# Allegro board FMDEMOD-Long.brd (continued)
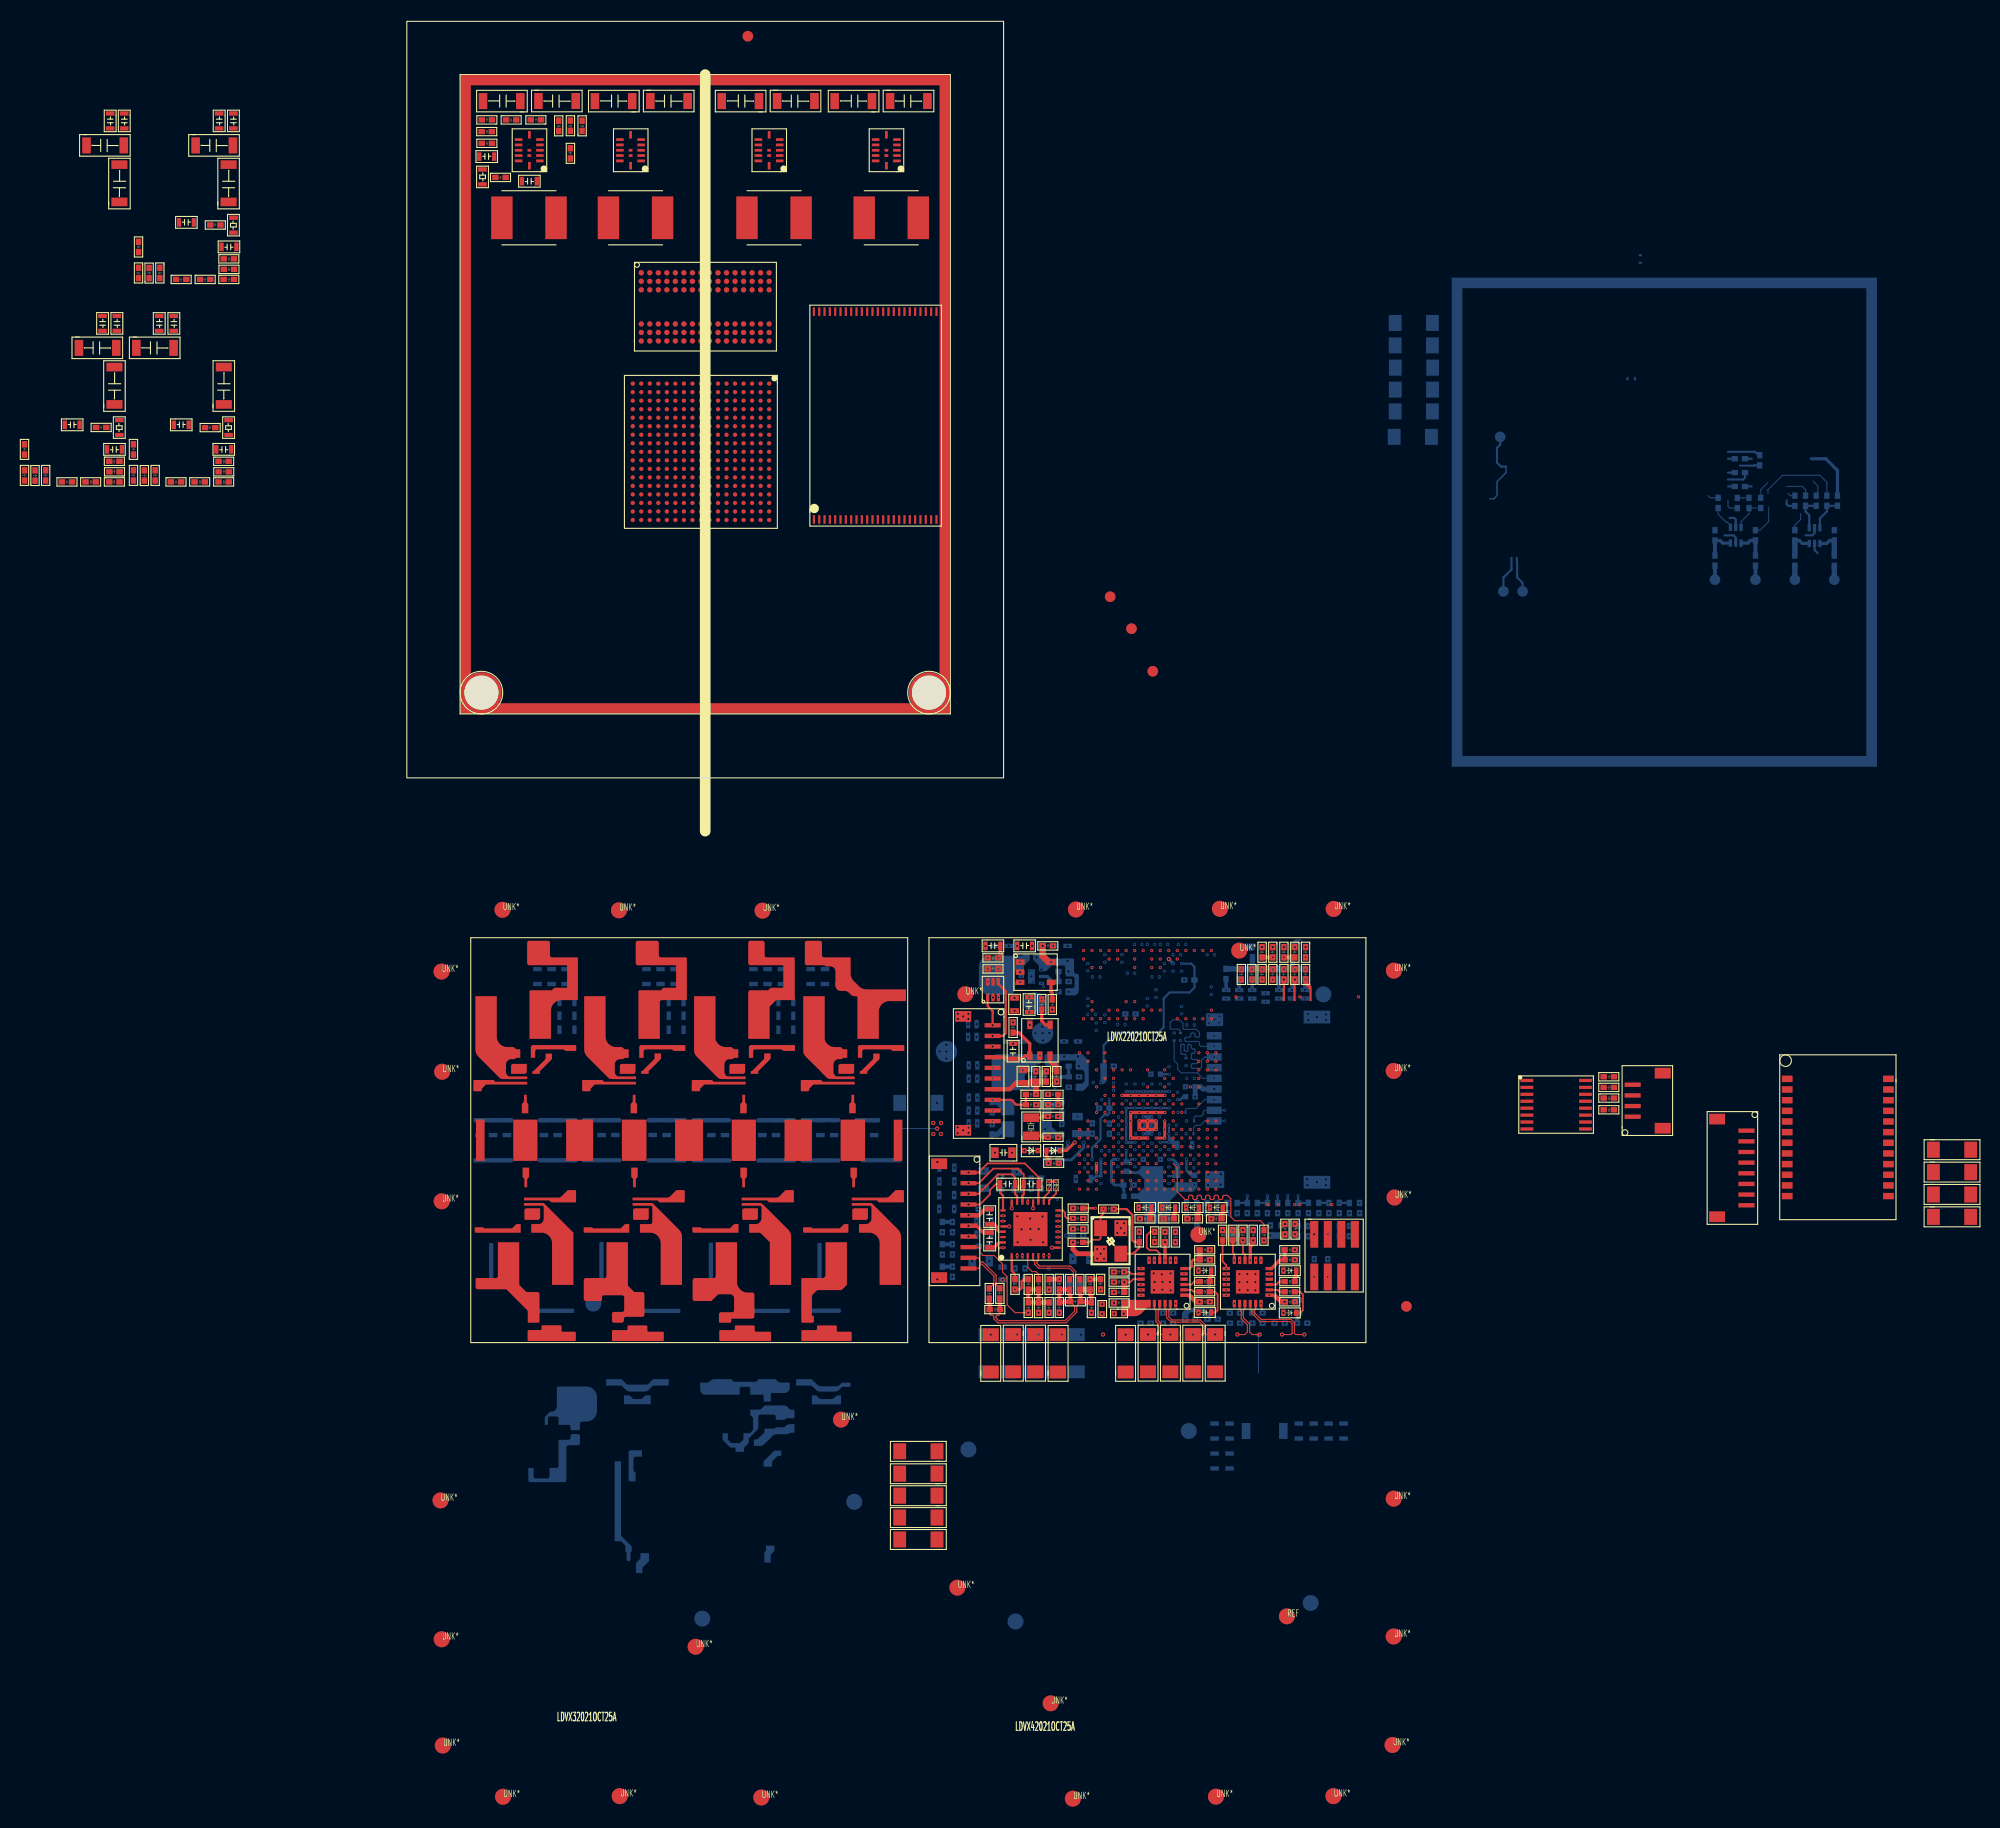
[diagram p0: board, top side]
## Routing (per net, layer and track width the routed paths; a pad name or vN(x,y) marks a point on that pad's centre or on a via; arc(x,y) is an arc through that point) (continued)
  SIGNAL-L3 w0.1: v4(74,-50.81) 74,-51.38 73.75,-51.63 v6(73.75,-52.24)
ENET2_RXP: length 8.4
  TOP w0.1: U16.23 71.65,-49.87 71.5,-50.02 71.5,-50.58 71.8,-50.88 74.47,-50.88 74.9,-51.31 74.9,-52.12 75.02,-52.24 v6(75.85,-52.24)
  SIGNAL-L3 w0.1: v6(75.85,-52.24) 75.85,-51.6 76.09,-51.35 v4(76.09,-50.81)
ENET2_TX_CLK: length 19.6
  SIGNAL-L3 w0.1: v6(72.12,-42.61) 72.87,-42.61 73.12,-42.86 73.51,-42.86 73.58,-42.79 73.58,-42.56 73.94,-42.2 73.94,-42 73.84,-41.89 73.47,-41.89 73.21,-42.15 71.71,-42.15 71.46,-41.9 71.46,-41.6 71.56,-41.5 72.53,-41.5 72.63,-41.4 72.63,-41.2 72.53,-41.1 71.56,-41.1 71.46,-41 71.46,-40.72 71.56,-40.62 72.12,-40.62 72.23,-40.52 72.23,-40.31 72.12,-40.2 71.36,-40.2 70.9,-39.75 70.9,-39.15 71.03,-39.02 71.25,-39.02 71.35,-39.12 71.35,-39.59 71.6,-39.84 73.44,-39.84 73.55,-39.73 73.55,-39.53 73.45,-39.43 72.22,-39.43 72.12,-39.33 72.12,-39.1 72.24,-38.99 73.77,-38.99 73.95,-38.81 73.95,-38.7 73.85,-38.6 v7(73.52,-38.6)
ENET2_TXD0: length 24.7
  SIGNAL-L3 w0.1: v3(68.89,-48.05) 68.56,-48.05 68.27,-47.75 68.27,-45.53 67.35,-44.61 67.35,-38.36 67.5,-38.2 67.5,-35.27 68.04,-34.72 71.97,-34.72 72.44,-34.25 74.47,-34.25 74.74,-34.52 74.74,-34.83 74.94,-35.03 75.43,-35.03 75.55,-35.14 75.55,-36.63 v3(75.92,-37)
ENET2_TXD1: length 24.8
  SIGNAL-L3 w0.1: v3(75.92,-37.8) 76.61,-38.49 77.1,-38.49 77.2,-38.59 77.2,-38.79 77.1,-38.89 76.34,-38.89 76.15,-39.08 76.15,-39.19 76.25,-39.29 77.1,-39.29 77.2,-39.39 77.2,-39.59 77.1,-39.69 76.25,-39.69 76.15,-39.79 76.15,-39.99 76.25,-40.09 77.3,-40.09 77.52,-40.31 77.52,-41.08 77.11,-41.49 76.52,-41.49 76.12,-41.9 76.12,-44.16 75.62,-44.65 74.42,-44.65 73.61,-45.46 73.61,-47.41 72.47,-48.55 71.01,-48.55 70.91,-48.65 70.91,-49.21 70.81,-49.31 70.61,-49.31 70.51,-49.21 70.51,-48.65 70.41,-48.55 70.21,-48.55 70.11,-48.65 70.11,-49.21 70.01,-49.31 69.81,-49.31 69.71,-49.21 69.71,-48.65 69.61,-48.55 v3(68.89,-48.55)
ENET2_TXEN: length 22.9
  SIGNAL-L3 w0.1: v3(75.12,-37) 75.12,-36.67 74.72,-36.27 74.72,-35.3 74.47,-35.05 68.6,-35.05 68.29,-35.36 68.29,-38.86 67.85,-39.3 67.85,-44.16 68.15,-44.46 68.15,-44.58 68.15,-44.75 68.27,-44.86 68.43,-44.86 68.56,-44.74 68.68,-44.74 68.84,-44.9 68.84,-45.02 68.72,-45.15 68.72,-45.27 68.88,-45.43 69,-45.43 69.12,-45.43 69.36,-45.66 69.36,-46.33 69.11,-46.58 68.67,-46.58 68.57,-46.68 68.57,-47.23 v3(68.89,-47.55)
ENET2_TXN: length 5
  TOP w0.1: v6(69.55,-52.24) 70.28,-52.24 70.5,-52.02 70.5,-51.23 70.3,-51.03 70.3,-50.02 70.15,-49.87 U16.20
  SIGNAL-L3 w0.1: v6(69.55,-52.24) 69.55,-51.8 69.8,-51.55 v4(69.8,-51.17)
ENET2_TXP: length 5.1
  TOP w0.1: U16.21 70.65,-49.87 70.5,-50.02 70.5,-50.94 70.71,-51.14 70.71,-52.11 70.83,-52.24 v6(71.65,-52.24)
  SIGNAL-L3 w0.1: v6(71.65,-52.24) 71.65,-51.82 71.92,-51.55 v4(71.92,-51.17)
ENET_MDC: length 20
  TOP w0.16: R91.1 76.55,-45.38 76.89,-45.72 v5(76.89,-46.05)
  SIGNAL-L4 w0.1: v5(68.89,-46.05) 68.89,-43.84 67.78,-42.72 67.78,-39.6 68.34,-39.03 68.34,-38.22 v7(67.92,-37.8)
  SIGNAL-L8 w0.1: v5(76.89,-46.05) 76.56,-46.05 76.39,-46.22 69.39,-46.22 69.22,-46.05 v5(68.89,-46.05)
ENET_MDIO: length 17.9
  TOP w0.16: R92.1 77.52,-44.61 77.65,-44.74 v5(77.65,-45.27)
  SIGNAL-L4 w0.1: v5(69.65,-45.27) 69.65,-43.73 68.15,-42.23 68.15,-39.9 68.72,-39.33 v7(68.72,-38.6)
  SIGNAL-L8 w0.1: v5(69.65,-45.27) 70.16,-45.78 76,-45.78 76.52,-45.27 v5(77.65,-45.27)
GPIO1_IO1: length 7.3
  SIGNAL-L7 w0.1: v8(67.92,-37) 68.53,-37 68.92,-37.39 69.67,-37.39 69.93,-37.66 69.93,-38.95 70.45,-39.47 71.76,-39.47 72.62,-40.33 v8(73.13,-40.33)
GPIO1_IO2: length 14.1
  SIGNAL-L7 w0.1: v8(67.92,-36.2) 67.53,-36.59 67.53,-37.33 70,-39.81 71.53,-39.81 72.35,-40.62 72.35,-42.02 72.76,-42.43 74.86,-42.43 75.6,-41.69 75.6,-40.56 v8(75.37,-40.33)
GPIO1_IO3: length 2
  SIGNAL-L7 w0.1: v8(67.92,-38.6) 68.67,-39.35 v8(68.67,-40.33)
GPIO1_IO4: length 10.1
  SIGNAL-L7 w0.1: v8(67.12,-37.8) 67.36,-38.04 67.36,-38.93 68,-39.57 68,-41.39 68.7,-42.09 71.1,-42.09 71.85,-41.35 71.85,-40.79 71.39,-40.33 v8(70.9,-40.33)
HPD: length 11
  SIGNAL-L4 w0.1: v7(59.77,-44.84) 59.77,-45.7 58.95,-46.51 51.83,-46.51 v15(51.19,-45.87)
  BOTTOM w0.36: R269.1 v15(51.19,-45.87)
I2C2_SCL: length 13.8
  TOP w0.16: U15.17 60.27,-39.66 60.93,-39 v5(60.93,-38.58)
  SIGNAL-L8 w0.1: v5(71.92,-38.6) 71.53,-38.21 71.53,-37.75 71.15,-37.37 62.14,-37.37 v5(60.93,-38.58)
I2C2_SDA: length 23.1
  TOP w0.16: v5(60.28,-38.58) 60.28,-38.87 59.77,-39.39 U15.18
  SIGNAL-L8 w0.1: v5(60.28,-38.58) 60.79,-39.09 61.3,-39.09 61.53,-39.33 61.53,-39.75 61.15,-40.14 59.77,-40.14 59.11,-39.48 59.11,-37.53 61.45,-35.2 64.95,-35.2 65.57,-34.59 66.31,-34.59 68.33,-36.61 69.5,-36.61 69.96,-36.16 69.96,-35.58 70.14,-35.4 v5(71.12,-35.4)
LASER_TXD: length 1
  BOTTOM w0.1: R335.1 122.32,26.28 122.1,26.5
LCD_DATA0: length 24.6
  TOP w0.36: R1.2 v8(81.26,-16.84)
  SIGNAL-L7 w0.1: v8(81.26,-16.84) 81.76,-17.34 81.76,-18.42 82.52,-19.19 82.52,-20.87 83.19,-21.54 83.19,-22.04 84.01,-22.86 84.01,-29.18 81.64,-31.54 75.78,-31.54 v8(75.12,-32.2)
LCD_DATA1: length 25.2
  TOP w0.36: v8(82.3,-16.84) R4.2
  SIGNAL-L7 w0.1: v8(75.92,-32.2) 76.29,-31.83 77.31,-31.83 77.47,-31.99 81.98,-31.99 84.52,-29.45 84.52,-22.22 83.3,-20.99 83.3,-20.4 83.82,-19.88 83.82,-17.69 83.55,-17.43 82.89,-17.43 v8(82.3,-16.84)
LCD_DATA2: length 26.8
  SIGNAL-L7 w0.1: v8(72.72,-33) 73.11,-32.61 77.17,-32.61 77.37,-32.4 82.37,-32.4 85,-29.77 85,-17.84 84.33,-17.18 v8(84.33,-16.84)
LCD_DATA3: length 20
  SIGNAL-L8 w0.1: v5(80.26,-18.93) 81.04,-19.71 81.04,-29.68 79.03,-31.69 74.83,-31.69 v5(73.52,-33)
LCD_DATA4: length 21.2
  SIGNAL-L8 w0.1: v5(81.26,-18.93) 81.85,-18.93 82.42,-19.5 82.42,-29.91 79.63,-32.7 74.62,-32.7 v5(74.32,-33)
LCD_DATA5: length 12.9
  SIGNAL-L7 w0.1: v8(75.12,-33) 75.52,-33.4 78.16,-33.4 83.63,-38.88 v9(83.63,-39.2)
  BOTTOM w0.2: v9(83.63,-39.2) R242.2
  BOTTOM w0.22: R241.1 84.07,-39.89 84.06,-39.9 R242.2
LCD_DATA6: length 15.7
  SIGNAL-L7 w0.1: v8(75.92,-33) 78.72,-33 84.41,-38.69 86.78,-38.69 87.5,-39.4 v9(87.5,-39.89)
  BOTTOM w0.22: v9(87.5,-39.89) 88.01,-39.89 88.02,-39.9 R237.2
LCD_DATA7: length 22.4
  SIGNAL-L8 w0.1: 88.26,-39.9 87.89,-40.26 87.89,-41.5 v1(88.45,-42.05) ; 88.26,-39.9 88.26,-38.01 83.66,-33.41 74.68,-33.41 74.29,-33.8 v5(73.52,-33.8) ; 88.26,-39.9 v1(89.4,-39.9)
LCD_DATA8: length 10.1
  SIGNAL-L7 w0.1: v8(75.12,-33.8) 75.51,-34.19 77.69,-34.19 81.72,-38.22 v9(81.72,-39.21)
  BOTTOM w0.2: v9(81.72,-39.21) R244.2
LCD_DATA9: length 10.1
  SIGNAL-L7 w0.1: v8(75.92,-33.8) 77.97,-33.8 82.67,-38.49 v9(82.67,-39.2)
  BOTTOM w0.2: v9(82.67,-39.2) 82.67,-39.89 R243.2
LCD_DATA10: length 21.2
  SIGNAL-L8 w0.1: v5(72.72,-34.6) 72.49,-34.37 72.49,-33.42 75.12,-30.79 78.48,-30.79 80.03,-29.23 80.03,-19.67 v5(79.29,-18.93)
LCD_DATA11: length 17.1
  SIGNAL-L8 w0.1: v5(73.52,-34.6) 73.9,-34.98 83.23,-34.98 86.52,-38.27 v1(86.52,-39.9)
  BOTTOM w0.22: v1(86.52,-39.9) 86.1,-39.9 86.09,-39.89 R240.1
LCD_DATA12: length 18.9
  SIGNAL-L8 w0.1: v1(87.5,-42.06) 86.98,-41.54 86.98,-37.58 83.6,-34.2 74.72,-34.2 v5(74.32,-34.6)
LCD_DATA13: length 8.7
  SIGNAL-L7 w0.1: v9(78.86,-39.2) 78.86,-36.85 77.03,-35.01 75.53,-35.01 v8(75.12,-34.6)
  BOTTOM w0.2: R247.2 v9(78.86,-39.2)
  BOTTOM w0.22: R248.2 R247.2
LCD_DATA14: length 9.1
  SIGNAL-L7 w0.1: v8(75.92,-34.6) 77.39,-34.6 80.76,-37.97 v9(80.76,-39.2)
  BOTTOM w0.2: R245.2 v9(80.76,-39.2)
  BOTTOM w0.22: R246.2 R245.2
LCD_DATA15: length 21.9
  SIGNAL-L8 w0.1: v5(78.31,-18.93) 78.31,-19.39 78.72,-19.8 78.72,-28.35 77.37,-29.71 74.95,-29.71 72.07,-32.59 72.07,-34.85 72.38,-35.17 73.29,-35.17 v5(73.52,-35.4)
LCD_DATA16: length 16.2
  SIGNAL-L8 w0.1: v1(84.61,-42.06) 85.08,-41.58 85.08,-37.88 82.99,-35.79 74.71,-35.79 v5(74.32,-35.4)
LCD_DATA17: length 5.3
  SIGNAL-L7 w0.1: v8(75.12,-35.4) 75.51,-35.79 75.51,-37 76.03,-37.52 76.03,-38.09 75.09,-39.03 v9(75.09,-39.9)
LCD_DATA18: length 6.4
  SIGNAL-L7 w0.1: v8(75.92,-35.4) 76.83,-35.4 78.07,-36.64 78.07,-38.28 76.97,-39.39 v9(76.97,-39.9)
LCD_DATA19: length 3.8
  SIGNAL-L7 w0.1: v9(73.16,-39.9) 73.16,-36.56 v8(73.52,-36.2)
LCD_DATA20: length 13.5
  SIGNAL-L8 w0.1: v1(83.63,-42.06) 82.2,-40.62 82.2,-37.69 81.08,-36.58 74.7,-36.58 v5(74.32,-36.2)
LCD_DATA21: length 5.1
  SIGNAL-L7 w0.1: v8(75.12,-36.2) 75.12,-36.73 74.98,-36.87 74.13,-36.87 73.56,-37.43 73.56,-39 74.13,-39.57 v9(74.13,-39.9)
LCD_DATA22: length 5
  SIGNAL-L7 w0.1: v9(76.04,-39.9) 76.04,-39.34 77.09,-38.28 77.09,-36.66 76.64,-36.2 v8(75.92,-36.2)
LCD_DATA23: length 4.6
  SIGNAL-L7 w0.1: v9(74.13,-41.99) 74.62,-41.51 74.62,-38.3 v8(75.12,-37.8)
MCU_RST_FPGA: length 7.4
  BOTTOM w0.15: 101.64,26.19 101.99,26.19 102.3,26.5 102.3,27.8 103.15,28.65 103.15,29.21
  BOTTOM w0.2: 103.15,29.21 102.67,29.21 102.3,29.58 102.3,30.97 102.6,31.27 TP43.1
MCU_UART3_RXD: length 2.9
  BOTTOM w0.1: R331.1 126.98,23.24 127.8,24.06 127.8,25.4
MCU_UART3_TXD: length 1.8
  BOTTOM w0.1: R324.1 130.25,23.72 130.8,24.27 130.8,24.8
MCU_UART4_RXD: length 3.4
  BOTTOM w0.2: TP47.1 104.7,18.3 104.19,18.81 104.19,20.25 104.16,20.28 104.16,20.65
MCU_UART4_TXD: length 3.5
  BOTTOM w0.2: TP48.1 102.9,18.8 103.66,19.56 103.66,20.65
MIC1_IN: length 15.6
  TOP w0.1: J2.8 53.64,-44.04 53.79,-44.19 53.79,-44.55 54.06,-44.82 55.11,-44.82 55.9,-45.61 55.9,-46.39 56.33,-46.82 56.33,-49.45 57.07,-50.19 v6(58.31,-50.19)
  SIGNAL-L3 w0.2: v6(58.31,-50.19) 55.44,-50.19 54.8,-50.83 v6(54.8,-52.26)
MIC1P: length 2.8
  TOP w0.1: U15.4 58.27,-45.92 58.68,-46.33 59.04,-46.33 59.28,-46.58 C107.2
MIC2N: length 5.6
  TOP w0.1: U15.5 58.77,-45.27 58.91,-45.42 58.91,-45.65 59.29,-46.02 62.18,-46.02 62.56,-46.4 62.56,-46.69 C108.2
MIC2N_IN: length 4.8
  TOP w0.1: R110.1 55.62,-47.9 55.3,-47.59 55.3,-46.67 54.07,-45.44 53.84,-45.44 53.74,-45.34 53.74,-45.14 53.64,-45.04 J2.9
MIC2N_IN2: length 15.4
  TOP w0.1: C111.2 62.66,-49.56 62.66,-50.06 61.78,-50.94 55.55,-50.94 55.28,-50.67 55.28,-50.53 55.38,-50.43 55.56,-50.43 55.66,-50.33 R113.1
  TOP w0.36: R110.2 55.65,-49.34 55.66,-49.35 R113.1 ; 62.26,-48.57 62.19,-48.49 C108.1 61.67,-48.02 61.66,-48.01 R104.2 C122.1 61.66,-49.23 61.73,-49.16 C111.2 62.26,-48.57
MIC2P: length 5.6
  TOP w0.1: C109.2 62.76,-46.66 62.76,-46.31 62.27,-45.82 59.38,-45.82 59.12,-45.56 59.12,-45.42 59.27,-45.27 U15.6
MIC2P_IN: length 4.5
  TOP w0.1: R109.2 54.99,-47.59 54.99,-47.59 55.09,-47.49 55.09,-46.76 53.98,-45.64 53.84,-45.64 53.74,-45.74 53.74,-45.94 53.64,-46.04 J2.10
MIC2P_IN2: length 16.1
  TOP w0.1: C111.1 62.86,-49.52 62.86,-50.14 61.87,-51.14 55.46,-51.14 55.08,-50.76 55.08,-50.53 54.98,-50.43 54.8,-50.43 54.7,-50.33 R113.2
  TOP w0.36: R105.1 64.11,-48.49 64.24,-48.63 C123.2 63.81,-49.24 63.74,-49.16 C111.1 63.22,-48.56 63.15,-48.49 C109.1 ; R109.1 54.66,-49.35 54.7,-49.38 R113.2
  TOP w0.5: C109.1 R105.1
MICBIAS: length 2.3
  TOP w0.2: R101.1 57.07,-46.57 56.77,-46.27 U15.1
NAND_NCE0: length 29.5
  SIGNAL-L4 w0.1: v7(74.32,-29) 74.72,-29.4 74.72,-29.93 74.98,-30.19 78.83,-30.19 79.27,-30.63 79.41,-30.63 79.91,-30.13 80.05,-30.13 80.19,-30.27 80.19,-30.42 79.69,-30.91 79.69,-31.06 79.84,-31.2 79.98,-31.2 80.48,-30.7 80.62,-30.7 80.76,-30.84 80.76,-30.98 80.26,-31.48 80.26,-31.62 80.4,-31.76 80.54,-31.76 81.04,-31.26 81.18,-31.26 81.32,-31.41 81.32,-31.55 80.83,-32.05 80.83,-32.19 80.97,-32.33 81.11,-32.33 81.61,-31.83 81.75,-31.83 81.89,-31.97 81.89,-32.11 81.39,-32.61 81.39,-32.75 81.8,-33.16 81.8,-33.52 81.9,-33.62 82.52,-33.62 82.62,-33.72 82.62,-33.92 82.52,-34.02 81.9,-34.02 81.8,-34.12 81.8,-34.32 81.9,-34.42 82.52,-34.42 82.62,-34.52 82.62,-34.72 82.52,-34.82 81.9,-34.82 81.8,-34.92 81.8,-37.65 81.9,-37.75 82.38,-37.75 82.48,-37.85 82.48,-38.05 82.38,-38.15 81.9,-38.15 81.8,-38.25 81.8,-38.45 81.9,-38.55 82.38,-38.55 82.48,-38.65 82.48,-38.88 81.8,-39.56 v8(81.8,-40.05)
  SIGNAL-L7 w0.1: v8(81.8,-40.05) 81.8,-40.38 82.03,-40.61 v9(82.03,-41.98)
NAND_NRDY: length 29.5
  SIGNAL-L4 w0.1: v8(80.8,-40.05) 80.8,-40.43 80.98,-40.61 82.1,-40.61 83.08,-39.63 83.08,-37.33 83.18,-37.23 83.88,-37.23 83.98,-37.13 83.98,-36.93 83.88,-36.83 83.18,-36.83 83.08,-36.73 83.08,-36.53 83.18,-36.43 83.88,-36.43 83.98,-36.33 83.98,-36.13 83.88,-36.03 83.18,-36.03 83.08,-35.93 83.08,-35.73 83.18,-35.63 83.88,-35.63 83.98,-35.53 83.98,-35.33 83.88,-35.23 83.18,-35.23 83.08,-35.13 83.08,-32.17 80.35,-29.44 75.39,-29.44 74.77,-28.82 74.77,-27.96 74.98,-27.75 75.56,-27.75 v7(75.92,-27.4)
  SIGNAL-L7 w0.1: v8(80.8,-40.05) 81.32,-40.57 81.32,-41.24 81.03,-41.53 v18(81.03,-41.99)
NAND_NWP: length 26.6
  SIGNAL-L4 w0.1: 86.54,-41.62 86.42,-41.74 84.42,-41.74 83.89,-42.28 83.13,-42.28 83.12,-42.29 80.83,-42.29 79.39,-40.85 79.39,-35.15 76.86,-32.61 74.55,-32.61 73.79,-31.84 73.13,-31.84 72.95,-31.67 72.95,-31.16 73.52,-30.6 v7(73.52,-29) ; 86.54,-41.62 v17(86.54,-42.06) ; 86.54,-41.62 86.8,-41.36 v7(86.8,-40.05)
Net_1: length 7.1
  PWR-L6 w0.2: 79.05,-72.75 79.43,-72.75 79.68,-72.5 80.3,-72.5 80.3,-73.8 79.45,-74.65 79.05,-74.65
  PWR-L6 w0.3: 76.15,-74.64 75.27,-74.64 75.06,-74.85 74.68,-74.85 74.68,-74.3 74.9,-74.08 74.9,-73.7
Net_15: length 1
  BOTTOM w0.36: 20.8,-73.34 20.8,-72.38
Net_16: length 20.4
  SIGNAL-L4 w0.26: 33.16,-65.45 33.6,-65.89 36.32,-65.89 ; 33.16,-65.45 34.73,-63.89 35.32,-63.89 ; 33.16,-65.45 31.32,-63.6 31.32,-61.89 ; 30.32,-61.89 31.32,-61.89 ; 31.32,-61.89 32.32,-60.89 34.32,-60.89 34.77,-60.44 35.87,-60.44 36.32,-60.89 ; 31.32,-61.89 29.86,-63.34 29.86,-64.39
Net_17: length 36
  PWR-L6 w0.26: 20.58,-58.35 20.04,-58.89 17.32,-58.89 16.47,-59.74 15.89,-59.74 15.88,-59.72 14.74,-59.72 ; 38.32,-58.89 36.32,-60.89 ; 35.32,-63.89 35.32,-61.89
  PWR-L6 w0.3: 17.32,-77.89 17.81,-78.38 17.81,-78.38 ; 24.82,-76.39 24.82,-76.39 24.32,-75.89 ; 19.8,-61.39 19.82,-61.39 20.32,-61.89 ; 22.86,-60.39 23.32,-60.85 23.32,-60.89 ; 29.32,-75.89 29.82,-76.38 29.82,-76.39 ; 20.32,-74.89 19.82,-75.39 19.8,-75.39 ; 20.8,-60.39 20.82,-60.39 21.32,-60.89 ; 35.32,-70.89 35.82,-70.39 35.84,-70.39 ; 35.84,-62.39 35.82,-62.39 35.32,-61.89 ; 20.32,-65.89 19.82,-66.39 19.8,-66.39 ; 38.32,-77.89 37.82,-78.39 37.8,-78.39 ; 19.81,-71.39 19.82,-71.39 20.32,-70.89 ; 31.32,-75.89 30.82,-76.38 30.82,-76.39 ; 25.82,-76.39 25.82,-76.39 26.82,-75.38 26.82,-75.37 ; 35.32,-74.89 34.82,-75.38 34.82,-75.38 ; 37.32,-73.89 37.82,-73.38 37.82,-73.37 ; 20.32,-75.89 19.82,-76.39 19.81,-76.39 ; 20.32,-67.89 19.82,-68.39 19.81,-68.39 ; 33.32,-75.89 32.82,-76.39 32.82,-76.39 ; 36.84,-66.39 36.82,-66.39 36.32,-65.89 ; 34.82,-75.38 35.32,-75.89 ; 34.82,-75.38 34.8,-75.38 ; 20.32,-68.89 19.82,-69.39 19.81,-69.39 ; 35.84,-68.39 35.82,-68.39 35.32,-68.89 ; 35.32,-67.89 35.82,-67.39 35.84,-67.39 ; 22.82,-76.39 22.82,-76.38 22.32,-75.89
  PWR-L6 w0.36: 35.32,-63.89 35.82,-64.39 35.84,-64.39
  PWR-L6 w0.38: 39.4,-83.1 39.8,-83.5 43.3,-83.5 44.17,-82.63
Net_20: length 8.2
  PWR-L6 w0.26: 32.32,-73.89 31.82,-73.38 31.81,-73.38
  PWR-L6 w0.3: 20.8,-72.38 20.82,-72.38 21.32,-71.89 ; 20.32,-63.89 20.3,-63.89 19.8,-64.39
  PWR-L6 w0.38: 21.82,-63.41 21.82,-63.39 21.32,-62.89 ; 33.82,-61.37 33.82,-61.39 32.82,-62.38 32.82,-62.38 ; 23.84,-73.39 23.34,-73.89 23.32,-73.89 23.32,-73.9 23.82,-74.4 ; 22.32,-61.89 22.82,-62.39 22.82,-62.4 23.81,-62.4 ; 31.8,-74.39 31.82,-74.39 32.32,-73.89
Net_25: length 20.9
  PWR-L6 w0.26: 25.83,-69.39 25.82,-69.39 25.32,-68.89 24.82,-69.39 24.8,-69.39 ; 30.84,-68.39 31.32,-67.91 31.32,-67.89 ; 29.83,-69.39 29.83,-69.37 30.32,-68.89 ; 24.8,-70.38 24.82,-70.38 25.32,-69.89 ; 28.82,-71.4 28.82,-71.39 29.32,-70.89 ; 24.8,-68.39 24.82,-68.39 25.32,-67.89 ; 24.8,-65.39 24.82,-65.39 25.32,-65.89 24.82,-66.39 ; 24.82,-66.39 24.8,-66.39 ; 24.82,-66.39 25.32,-66.89 ; 26.84,-64.39 26.82,-64.39 26.32,-64.89 ; 27.32,-63.89 27.82,-63.39 27.84,-63.39 ; 26.32,-70.89 25.82,-71.38 25.82,-71.4 ; 26.82,-71.4 26.82,-71.38 27.32,-70.89 ; 24.8,-64.39 24.81,-64.39 25.32,-63.89 ; 24.8,-71.39 24.8,-71.37 24.32,-70.89 ; 30.84,-67.39 30.82,-67.39 30.32,-66.89 ; 30.32,-65.89 30.82,-66.39 30.84,-66.39 ; 26.32,-65.89 25.82,-65.39 25.82,-65.36 ; 27.82,-71.4 27.82,-71.39 28.32,-70.89 ; 25.32,-66.89 24.82,-67.39 24.8,-67.39 ; 25.32,-66.89 25.81,-67.37 25.83,-67.37 ; 30.84,-69.39 30.82,-69.39 30.32,-69.89 ; 31.32,-69.89 31.32,-69.91 30.84,-70.38 ; 30.32,-70.89 29.82,-71.38 29.82,-71.4 ; 31.84,-71.39 31.82,-71.39 31.32,-71.89 ; 30.32,-67.89 29.83,-67.4 29.83,-67.37
  PWR-L6 w0.38: 33.85,-73.38 33.82,-73.38 33.32,-73.89 ; 34.32,-62.89 34.82,-63.39 34.84,-63.39
Net_38: length 0.4
  PWR-L6 w0.26: 11.85,-65.42 11.65,-65.22 11.65,-65.06
Net_43: length 0
  BOTTOM w0.3: 24.36,-56.76 24.33,-56.73
Net_89: length 0.8
  PWR-L6 w0.3: 60.73,-78.63 60.73,-79.45
Net_91: length 2.5
  PWR-L6 w0.3: 82.3,-78.1 82.3,-79.44 82.78,-79.92 82.78,-80.41
NRST_CPU: length 29
  TOP w0.3: R21.1 v19(61.12,-30.67)
  SIGNAL-L3 w0.1: v8(65.52,-31.4) 64.96,-31.96 64.96,-33.52 64.35,-34.12 64.35,-38.89 64.09,-39.15 64.09,-45.6 65.75,-47.26 65.75,-50.69 66.15,-51.09 66.97,-51.09 67.45,-51.57 v6(67.45,-52.26)
  SIGNAL-L7 w0.1: v8(65.52,-31.4) 65.09,-30.97 62.15,-30.97 61.85,-30.67 v19(61.12,-30.67)
NVCC_CSI: length 1.4
  PWR-L6 w0.3: v11(71.52,-27.81) 71.91,-28.2 v10(71.92,-28.2)
  BOTTOM w0.2: v11(71.52,-27.81) 71.16,-27.81 71.15,-27.8 L23.2
NVCC_ENET: length 0.6
  PWR-L6 w0.2: v11(71.52,-35.81) 71.52,-35.8 v10(71.92,-35.4)
NVCC_GPIO: length 1.1
  PWR-L6 w0.2: v11(69.11,-35.8) 69.12,-35.8 v10(69.52,-35.4) 69.13,-35.01 v11(69.12,-35.01)
NVCC_LCD: length 0.6
  PWR-L6 w0.2: v10(72.72,-35.4) 72.76,-35.4 v11(73.16,-35.8)
NVCC_NAND: length 1.4
  PWR-L6 w0.26: v11(72.32,-30.2) 72.32,-30.2 v10(72.72,-30.6)
  BOTTOM w0.2: v11(72.32,-30.2) 72.58,-30.2 72.86,-29.92 L25.2
NVCC_SD: length 1.9
  PWR-L6 w0.3: v10(74.32,-28.2) v11(73.89,-28.2) 73.37,-28.2 73.07,-28.5 v11(73.07,-28.98)
NVCC_UART: length 1.1
  PWR-L6 w0.2: v11(69.92,-35.01) 69.93,-35.01 v10(70.32,-35.4) 70.72,-35.8 v11(70.72,-35.8)
PHY1_3V3: length 2
  PWR-L6 w0.26: v10(77.65,-49.34) 77.65,-49.8 v12(77.22,-50.22)
  BOTTOM w0.36: v12(83.63,-50.22) 83.63,-50.65 83.54,-50.75 v12(83.54,-51.17)
  vias: v10(80.93,-48.55) v12(77.23,-51.17) v12(79.34,-51.17) v12(81.42,-51.17) v13(82.37,-49.17)
PHY2_3V3: length 1
  TOP w0.1: C114.1 67.32,-49.81 67.28,-49.85 v13(67.28,-50.27)
  vias: v12(68.84,-51.17) v12(70.96,-51.17) v12(73.04,-50.81) v12(75.14,-50.81) v13(74.39,-49.17)
PHY_UART_RX1: length 5.5
  BOTTOM w0.1: 134.25,26.29 R348.1
  BOTTOM w0.3: 131.8,29.95 133.15,29.95 134.25,28.85 R348.1
PMIC_ON_REQ: length 16.8
  SIGNAL-L3 w0.1: v4(49.75,-30.5) 50.59,-30.5 51.91,-29.18 56.49,-29.18 57.42,-30.11 61.69,-30.11 61.8,-30.22 63.34,-30.22 63.52,-30.39 63.52,-31.8 v3(63.92,-32.2)
RST_B: length 13.1
  SIGNAL-L8 w0.1: v1(75.5,-20.33) v5(75.5,-21.8) 75.5,-22.17 76.52,-23.19 76.52,-26.64 74.56,-28.59 71.52,-28.59 v5(71.12,-28.2)
SAI2_BCLK: length 12.4
  SIGNAL-L4 w0.1: v7(66.32,-37.8) 65.53,-38.59 65.53,-38.73 65.82,-39.01 65.82,-39.15 65.67,-39.29 65.53,-39.29 65.25,-39.01 65.11,-39.01 64.95,-39.17 64.95,-40.97 65.05,-41.07 65.33,-41.07 65.43,-41.17 65.43,-41.33 65.33,-41.43 65.05,-41.43 64.95,-41.53 64.95,-42.27 63.08,-44.14 62.22,-44.14 61.93,-43.84 61.93,-43.07 61.45,-42.59 v7(61.11,-42.59)
SAI2_MCLK: length 14
  SIGNAL-L4 w0.1: v7(65.52,-36.2) 65.89,-36.57 66.41,-36.57 66.75,-36.91 66.75,-38.99 65.86,-39.88 65.86,-42.28 63.61,-44.53 62.08,-44.53 61.55,-44 61.55,-43.21 61.43,-43.09 v7(61.11,-43.09)
SAI2_RXD: length 13.7
  TOP w0.16: v16(62.51,-41.34) 61.97,-41.34 61.77,-41.15 61.77,-40.8 61.56,-40.59 U15.16
  SIGNAL-L4 w0.1: v16(62.51,-41.34) 61.97,-40.81 61.97,-40.16 62.15,-39.98 62.15,-36.27 62.59,-35.83 64.23,-35.83 65.05,-35 66.55,-35 66.73,-35.19 66.73,-35.81 v7(67.12,-36.2)
SAI2_SYNC: length 12.2
  SIGNAL-L4 w0.1: v7(61.11,-42.09) 61.43,-42.09 61.43,-42.09 61.53,-42.09 62.36,-42.92 63.63,-42.92 64.33,-42.22 64.33,-38.99 64.67,-38.65 64.67,-38.51 64.33,-38.17 64.33,-38.03 64.47,-37.89 64.61,-37.89 64.95,-38.23 65.09,-38.23 65.23,-38.09 65.23,-37.94 64.89,-37.6 64.89,-37.46 65.03,-37.32 65.18,-37.32 65.52,-37.66 65.66,-37.66 v7(66.32,-37)
SAI2_TXD: length 12.1
  SIGNAL-L4 w0.1: v7(66.32,-36.2) 65.93,-35.81 65.34,-35.81 65.13,-36.01 65.13,-36.38 64.94,-36.57 62.9,-36.57 62.59,-36.88 62.59,-38.63 63.49,-39.52 63.49,-41.4 63.05,-41.84 61.86,-41.84 61.61,-41.59 v7(61.11,-41.59)
SD1_CD: length 27.7
  PWR-L6 w0.22: v11(75.77,-24.2) 76.11,-24.2 76.89,-23.42 v11(76.89,-19.91)
  SIGNAL-L7 w0.1: v11(75.77,-24.2) 75.32,-24.65 75.32,-27.99 73.82,-29.49 73.82,-30.59 72.26,-32.15 72.26,-37.01 72.74,-37.49 72.74,-38.77 72.37,-39.14 70.93,-39.14 70.71,-38.92 70.71,-37.73 70.65,-37.68 70.65,-37.66 69.52,-36.54 v8(69.52,-36.2)
  BOTTOM w0.3: v11(76.89,-19.91) 76.89,-19.53 76.87,-19.51 R210.2
SD1_CLK: length 8.5
  SIGNAL-L4 w0.1: v7(74.32,-25.8) 74.32,-26.28 74.22,-26.38 74.04,-26.38 73.94,-26.28 73.94,-25.43 73.84,-25.33 73.64,-25.33 73.57,-25.39 73.57,-26.16 73.47,-26.26 73.17,-26.26 73.07,-26.16 73.07,-25.39 72.97,-25.29 72.72,-25.29 72.64,-25.37 72.64,-26.21 72.54,-26.31 72.44,-26.31 72.34,-26.21 72.34,-25.3 72.01,-24.97 v17(72.01,-23.94)
SD1_CMD: length 13.8
  SIGNAL-L3 w0.1: v20(72.37,-31.39) 71.72,-31.39 71.62,-31.29 71.62,-31.15 71.89,-30.88 71.89,-30.7 71.79,-30.6 71.1,-30.6 71,-30.5 71,-30.29 71.07,-30.22 71.46,-30.22 71.56,-30.12 71.82,-30.12 71.92,-30.02 71.92,-29.87 71.82,-29.77 71.59,-29.77 71.49,-29.67 71.49,-29.52 71.59,-29.42 71.92,-29.42 72.02,-29.32 72.02,-29.2 71.92,-29.1 71.06,-29.1 70.91,-28.95 70.91,-28.75 71.05,-28.61 72.3,-28.61 72.71,-28.19 73.54,-28.19 73.95,-27.78 75.38,-27.78 75.57,-27.6 75.57,-27.13 75.41,-26.97 74.69,-26.97 v3(74.32,-26.6)
SD1_DATA0: length 4.9
  SIGNAL-L4 w0.1: v17(73.12,-27.02) 72.31,-27.02 72.17,-27.16 72.17,-27.73 72.38,-27.95 73.07,-27.95 73.62,-27.4 v7(75.12,-27.4)
SD1_DATA1: length 4
  SIGNAL-L4 w0.1: v7(75.12,-26.6) 75.12,-25.39 74.38,-24.65 v17(72.6,-24.65)
SD1_DATA2: length 13.7
  SIGNAL-L3 w0.1: v20(73.12,-33.4) 72.3,-33.4 71.86,-32.96 71.86,-32.28 71.38,-31.81 70.97,-31.81 70.7,-31.54 70.7,-31.14 69.89,-30.32 69.89,-28.89 70.19,-28.58 70.55,-28.58 70.7,-28.43 70.7,-27.97 70.94,-27.73 73.17,-27.73 73.89,-27.02 73.89,-26.48 74.16,-26.21 74.64,-26.21 75.05,-25.8 v3(75.12,-25.8)
SD1_DATA3: length 11.9
  SIGNAL-L3 w0.1: v20(73.17,-32.19) 73.17,-31.62 72.33,-30.78 72.33,-29.37 73.15,-28.56 76.13,-28.56 76.47,-28.21 76.47,-27.4 76.57,-27.3 77.54,-27.3 77.64,-27.2 77.64,-27 77.54,-26.9 76.57,-26.9 76.27,-26.6 v3(75.92,-26.6)
SDQS0N: length 22.9
  SIGNAL-L7 w0.1: v8(68.3,-21) 68,-21.3 68,-21.77 v9(68.38,-22.16) 68.2,-22.16 68.02,-22.33 68.02,-22.84 68.35,-23.17 68.35,-23.68 68.14,-23.89 67.02,-23.89 66.51,-24.39 66.51,-24.94 66.86,-25.29 67.1,-25.29 67.45,-25.64 67.45,-25.98 67.38,-26.06 67.38,-26.25 67.55,-26.42 67.55,-26.78 67.41,-26.91 67.41,-27.09 67.55,-27.22 67.55,-27.58 67.35,-27.77 67.35,-28.75 67.14,-28.96 67.14,-29.99 67.91,-30.75 67.91,-31.08 67.67,-31.32 67.67,-31.54 67.88,-31.75 67.88,-31.97 67.68,-32.17 67.25,-32.17 67.14,-32.28 67.14,-32.55 66.67,-33.01 64.64,-33.01 64.38,-32.74 64.38,-32.1 64.56,-31.92 65.94,-31.92 66.14,-31.72 66.14,-30.74 66,-30.6 v8(65.52,-30.6)
SDQS0P: length 22
  SIGNAL-L7 w0.1: v8(65.52,-29.8) 66.09,-29.8 66.36,-30.08 66.36,-31.87 66.01,-32.22 64.7,-32.22 64.6,-32.32 64.6,-32.65 64.74,-32.79 66.58,-32.79 66.91,-32.46 66.91,-31.96 67.35,-31.52 67.35,-31.35 67.19,-31.19 67.19,-30.52 66.86,-30.19 66.86,-28.8 66.98,-28.67 66.98,-27.89 66.79,-27.7 66.79,-27.27 66.91,-27.15 66.91,-26.9 66.73,-26.72 66.73,-26.48 66.94,-26.27 66.94,-26.08 66.7,-25.85 66.7,-25.51 66.26,-25.07 66.26,-24.32 66.92,-23.66 68.03,-23.66 68.12,-23.57 68.12,-23.26 67.79,-22.94 67.79,-22.35 67.6,-22.16 v9(67.42,-22.16) 67.76,-21.82 67.76,-21.26 v8(67.5,-21)
SDQS1N: length 17.1
  SIGNAL-L7 w0.1: v8(63.92,-26.6) 63.46,-26.14 63.46,-25.94 63.39,-25.87 63.39,-25.19 63.56,-25.03 63.64,-25.03 63.74,-24.93 63.74,-24.55 63.64,-24.45 63.34,-24.45 63.13,-24.67 62.79,-24.67 62.56,-24.44 62.56,-23.87 62.79,-23.65 63.18,-23.65 63.38,-23.45 63.69,-23.45 63.79,-23.55 64.01,-23.55 64.11,-23.45 64.11,-23.31 63.95,-23.15 62.8,-23.15 62.57,-22.92 62.57,-22.26 62.83,-22.01 63.08,-22.01 63.18,-21.91 63.18,-20.83 63.4,-20.61 63.86,-20.61 64.03,-20.44 64.03,-20.19 63.93,-20.09 63.27,-20.09 62.82,-19.64 62.82,-19.23 63.09,-18.96 63.68,-18.96 63.86,-19.14 64.36,-19.14 64.53,-18.97 64.53,-18.87 v9(64.34,-18.69) 64.58,-18.45 64.58,-18.08 v8(64.3,-17.8)
SDQS1P: length 16.3
  SIGNAL-L7 w0.1: v8(65.1,-17.8) 64.8,-18.1 64.8,-18.45 v9(65.04,-18.69) 64.81,-18.92 64.81,-18.99 64.44,-19.35 63.77,-19.35 63.59,-19.17 63.18,-19.17 63.03,-19.32 63.03,-19.56 63.35,-19.88 64.01,-19.88 64.24,-20.1 64.24,-20.56 63.99,-20.81 63.49,-20.81 63.39,-20.92 63.39,-21.99 63.17,-22.21 62.91,-22.21 62.78,-22.35 62.78,-22.84 62.88,-22.94 64.04,-22.94 64.32,-23.22 64.32,-23.54 64.1,-23.76 63.7,-23.76 63.6,-23.66 63.46,-23.66 63.26,-23.86 62.87,-23.86 62.77,-23.96 62.77,-24.36 62.87,-24.46 63.04,-24.46 63.25,-24.25 63.73,-24.25 63.95,-24.47 63.95,-25.01 63.73,-25.24 63.65,-25.24 63.6,-25.28 63.6,-25.48 v8(63.92,-25.8)
SPK_LN: length 9
  TOP w0.16: C73.2 57.08,-37.49 56.79,-37.21 55.47,-37.21 53.64,-39.04 v16(52.71,-39.04)
  TOP w0.2: U15.23 57.27,-39.23 57.08,-39.04 C73.2
  SIGNAL-L4 w0.3: v15(51.37,-39.16) 51.93,-39.16 52.05,-39.04 v16(52.71,-39.04)
